# KiCad board MUX.kicad_pcb (continued)
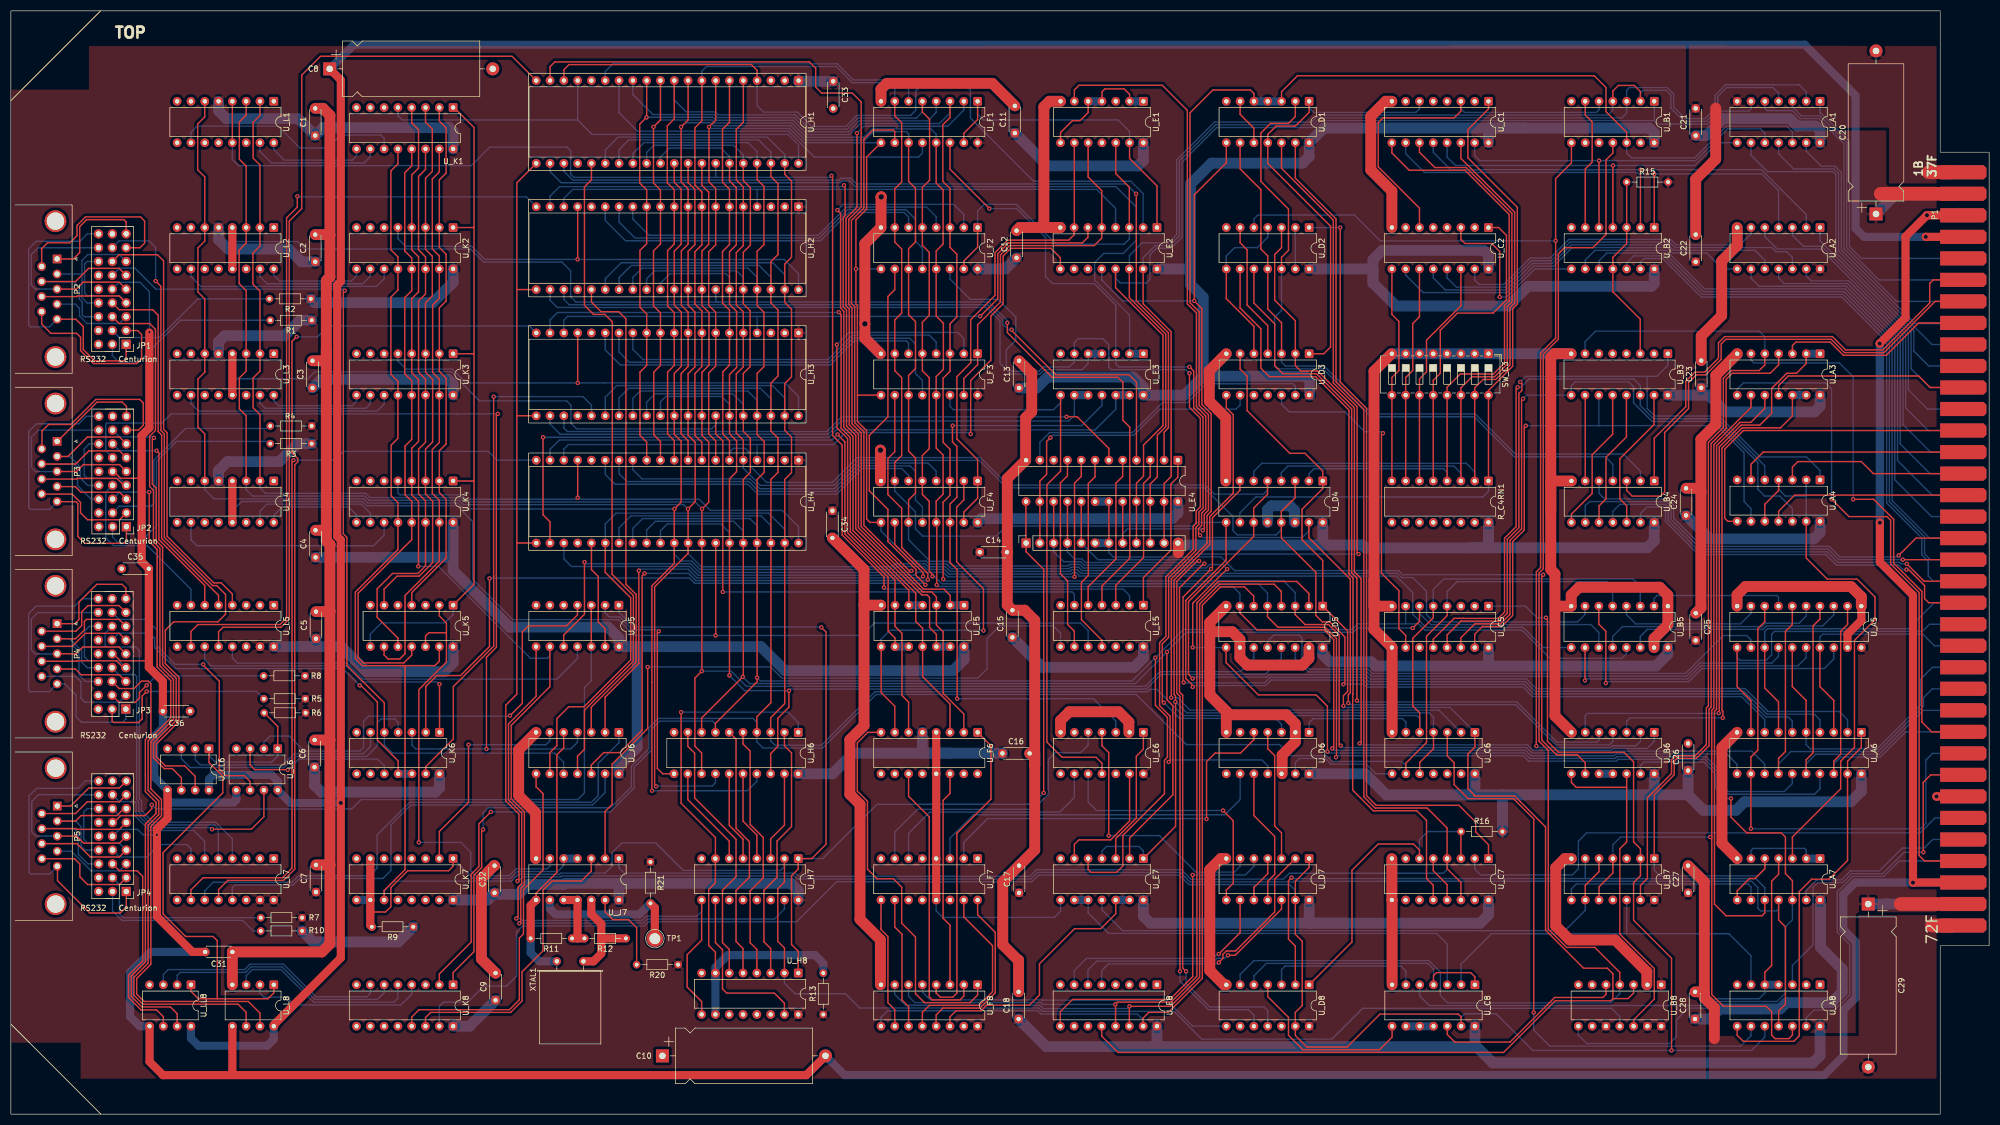
[diagram p0: board, top side]
## Routing (per net, layer and track width the routed paths; a pad name or vN(x,y) marks a point on that pad's centre or on a via; arc(x,y) is an arc through that point) (continued)
Net-(JP1-Pad1): length 55.2
  Top w0.25: JP1.1 21.21,138.99 20.82,138.6 15.41,138.6 13.32,140.7 13.32,144.89 11.94,146.27 P2.5
  Bottom w0.25: P2.5 7.13,144.9 7.13,144.85 3.58,144.85 3.27,145.16 3.27,159.2 4.67,160.6 12.7,160.6 14.06,161.97 JP1.27
Net-(JP1-Pad2): length 34.8
  Bottom w0.25: JP1.2 18.67,139.59 19.91,138.35 23.47,138.35 31.19,146.08 R1.2
Net-(JP1-Pad4): length 33.1
  Top w0.25: P2.9 5.67,145.38 7.39,143.66 12.11,143.66 12.82,142.95 12.82,140.49 15.21,138.1 23.17,138.1 24.05,138.99 24.05,143.46 23.32,144.19 JP1.4
Net-(JP1-Pad5): length 32.4
  Bottom w0.25: R2.2 34.42,150.01 27.3,142.9 19.95,142.9 JP1.5
Net-(JP1-Pad7): length 15.5
  Bottom w0.25: P2.4 11.86,149.04 12.63,148.27 12.63,146.85 13.99,145.49 19.97,145.49 JP1.7
Net-(JP1-Pad10): length 32.8
  Top w0.25: JP1.10 19.93,150.54 12.21,150.54 12.1,150.43 P2.8
  Bottom w0.25: 16.24,156.88 14.01,156.88 13.58,156.45 13.58,151.06 14.09,150.54 20.04,150.54 21.32,149.26
Net-(JP1-Pad12): length 24.4
  Bottom w0.25: JP1.19 19.93,158.16 14.17,158.16 13.08,157.07 13.08,150.21 14.02,149.26 16.57,149.26 ; P2.2 13.03,154.58
Net-(JP1-Pad13): length 37.3
  Top w0.25: P2.3 12.03,151.81 13.31,153.08 19.93,153.08 JP1.13
  Bottom w0.25: P2.3 6.37,151.81 6.37,151.81 4.52,151.81 3.77,152.56 3.77,158.18 5.02,159.43 JP1.24
Net-(JP1-Pad16): length 32.8
  Top w0.25: P2.7 11.89,153.19 14.32,155.62 19.93,155.62 JP1.16
  Bottom w0.25: 16.08,146.72 13.46,146.72 13.13,147.06 13.13,149.45 12.58,150.01 12.58,152.14 11.53,153.18 5.68,153.18
Net-(JP1-Pad22): length 33.9
  Top w0.25: P2.6 5.67,159.15 5.61,159.2 6.73,160.32 10.84,160.32 12.16,161.64 12.16,163.52 13.73,165.09 23.85,165.09 24.61,164.34 24.61,160.27 23.76,159.43 JP1.22
Net-(JP1-Pad25): length 20.9
  Top w0.25: P2.1 11.48,157.35 12.66,158.54 12.66,163.32 13.94,164.59 20.8,164.59 21.21,164.18 JP1.25
Net-(JP2-Pad1): length 56.3
  Top w0.25: 8.53,112.69 11.97,112.69 12.32,112.34 12.32,106.32 13.61,105.03 20.77,105.03 21.26,105.51 JP2.1
  Bottom w0.25: 8.53,112.69 7.16,111.32 7.16,111.28 3.6,111.28 3.3,111.58 3.3,125.63 4.7,127.03 12.49,127.03 13.88,128.41 JP2.27
Net-(JP2-Pad2): length 46.2
  Bottom w0.25: JP2.2 18.72,106.17 19.78,105.11 23.65,105.11 26.79,108.25 26.79,120.11 30.45,123.77 47.32,123.77 R3.2
Net-(JP2-Pad4): length 19.1
  Top w0.25: 5.69,114.08 11.29,114.08 12.82,112.55 12.82,110.65 14.09,109.37 20.01,109.37 JP2.4
Net-(JP2-Pad5): length 40.3
  Bottom w0.25: JP2.5 19.94,111.85 25.75,111.85 26.29,112.4 26.29,120.32 32.13,126.16 47.27,126.16 R4.2
Net-(JP2-Pad7): length 13.7
  Top w0.25: 21.28,113.15 20,114.43 12.9,114.43 11.86,115.46 8.53,115.46
Net-(JP2-Pad10): length 32.1
  Top w0.25: 5.69,116.85 12.12,116.85 12.24,116.97 19.5,116.97 20.77,115.71
  Bottom w0.25: 21.27,115.71 19.99,116.99 14.04,116.99 13.48,117.55 13.48,122.43 14.39,123.33 16.19,123.33
Net-(JP2-Pad12): length 25.8
  Top w0.25: 8.53,121 10.49,121 14.07,124.59 20,124.59 21.28,123.31
  Bottom w0.25: 16.19,115.69 14.13,115.69 12.77,117.05 12.77,119.11 10.87,121 8.53,121
Net-(JP2-Pad13): length 37.3
  Top w0.25: 8.53,118.23 12.06,118.23 13.33,119.51 20,119.51 JP2.13
  Bottom w0.25: 8.53,118.23 6.4,118.23 6.4,118.24 4.54,118.24 3.8,118.98 3.8,124.6 5.04,125.85 16.16,125.85
Net-(JP2-Pad16): length 32.2
  Top w0.25: 21.28,120.77 20,122.05 14.35,122.05 11.92,119.62 5.69,119.62
  Bottom w0.25: JP2.9 14.77,113.17 12.27,115.67 12.27,118.9 11.56,119.61 5.7,119.61
Net-(JP2-Pad22): length 32.2
  Top w0.25: JP2.22 23.48,125.87 24.35,126.74 24.35,130.86 23.7,131.51 15.64,131.51 11.03,126.9 6.93,126.9 5.72,125.68 5.72,122.41
Net-(JP2-Pad25): length 17.9
  Top w0.25: 8.53,123.77 11.16,126.4 11.23,126.4 15.85,131.01 20.5,131.01 21.28,130.23 21.28,128.39
Net-(JP3-Pad1): length 53.9
  Bottom w0.25: 8.46,79.12 7.06,77.72 3.56,77.72 3.25,78.03 3.25,92.08 4.65,93.47 11.74,93.47 13.1,94.84 16.07,94.84 ; JP3.1 21.16,72.72 20.55,72.11 12.98,72.11 12.02,73.08 12.02,77.06 9.91,79.17 8.49,79.17
Net-(JP3-Pad2): length 35.6
  Top w0.25: JP3.2 18.62,72.34 18.9,72.06 23.5,72.06 24.16,72.72 24.16,76.94 v1(24.99,77.78)
  Bottom w0.25: R5.2 45.22,77.78 v1(24.99,77.78)
Net-(JP3-Pad4): length 19.8
  Bottom w0.25: JP3.4 19.89,75.79 13.64,75.79 12.88,76.56 12.88,79.6 11.93,80.55 5.65,80.55
Net-(JP3-Pad5): length 31
  Top w0.25: JP3.5 19.94,75.75 22.84,75.75 23.66,76.56 23.66,77.58 24.92,78.84
  Bottom w0.25: R8.2 26.73,80.65 v1(24.98,78.89)
Net-(JP3-Pad7): length 13.6
  Top w0.25: 8.54,81.91 11.87,81.91 12.93,80.85 19.94,80.85 21.21,79.58
Net-(JP3-Pad10): length 31.7
  Top w0.25: 5.65,83.32 12.08,83.32 12.17,83.41 19.43,83.41 20.7,82.14
  Bottom w0.25: 16.07,89.76 14.45,89.76 13.54,88.85 13.54,84.12 14.25,83.41 19.89,83.41 JP3.10
Net-(JP3-Pad12): length 26.6
  Top w0.25: 8.49,87.48 11.91,87.48 13.52,89.09 13.52,90.66 13.9,91.03 19.89,91.03 JP3.19
  Bottom w0.25: 8.49,87.48 10.82,87.48 13.02,85.28 13.02,83.17 14.05,82.14 JP3.12
Net-(JP3-Pad13): length 37.2
  Top w0.25: 8.49,84.71 12.01,84.71 13.26,85.95 19.89,85.95 JP3.13
  Bottom w0.25: 4.96,92.28 3.75,91.08 3.75,85.43 4.5,84.68 6.35,84.68 6.36,84.68 8.49,84.68 ; 16.08,92.28 4.98,92.28
Net-(JP3-Pad16): length 32.6
  Top w0.25: 21.21,87.2 19.94,88.47 13.69,88.47 11.29,86.07 5.7,86.07
  Bottom w0.25: 5.66,86.08 11.51,86.08 12.52,85.07 12.52,80.82 13.73,79.62 16.06,79.62
Net-(JP3-Pad22): length 19.5
  Top w0.25: JP3.22 19.89,93.57 14.2,93.57 13.02,92.4 13.02,89.91 11.98,88.86 5.65,88.86
Net-(JP3-Pad25): length 19.8
  Top w0.25: JP3.25 21.16,96.77 20.45,97.49 15.8,97.49 12.52,94.21 12.52,91.01 11.76,90.25 8.49,90.25
Net-(JP4-Pad1): length 55
  Top w0.25: 8.58,45.62 8.58,42.96 14.52,37.01 20.13,37.01 21.24,38.12 JP4.1
  Bottom w0.25: 8.55,45.6 7.15,44.2 3.65,44.2 3.34,44.5 3.34,58.55 4.74,59.95 12.38,59.95 13.72,61.29 JP4.27
Net-(JP4-Pad2): length 32.4
  Bottom w0.25: R10.2 44.58,33.71 42.64,35.64 20.46,35.64 18.7,37.4 JP4.2
Net-(JP4-Pad4): length 19.4
  Top w0.25: 5.74,47 11.72,47 12.69,46.03 12.69,43.67 14.12,42.24 19.97,42.24 JP4.4
Net-(JP4-Pad5): length 33.5
  Bottom w0.25: R7.2 20.66,36.14 19.98,36.83 19.98,42.24 JP4.5
Net-(JP4-Pad7): length 14.7
  Bottom w0.25: P5.4 11.13,48.38 14.74,44.78 19.97,44.78 JP4.7
Net-(JP4-Pad10): length 32.9
  Top w0.25: JP4.10 19.97,47.32 14.62,47.32 12.17,49.77 5.74,49.77
  Bottom w0.25: 15.35,56.21 14.03,56.21 13.42,55.6 13.42,50.57 14.12,49.86 19.97,49.86 JP4.10
Net-(JP4-Pad12): length 25
  Top w0.25: 8.58,53.93 11.9,53.93 12.91,54.94 19.51,54.94 20.79,56.21
  Bottom w0.25: JP4.12 13.66,48.59 12.92,49.34 12.92,52.9 11.88,53.93 8.58,53.93
Net-(JP4-Pad13): length 37.2
  Top w0.25: JP4.13 19.97,49.86 13.41,49.86 12.1,51.16 8.58,51.16
  Bottom w0.25: 8.58,51.16 6.45,51.16 6.44,51.16 4.59,51.16 3.84,51.9 3.84,57.53 5.09,58.77 16.14,58.77
Net-(JP4-Pad16): length 31.5
  Top w0.25: 5.74,52.54 11.97,52.54 12.11,52.4 19.97,52.4 JP4.16
  Bottom w0.25: 5.75,52.53 11.6,52.53 12.42,51.72 12.42,47.8 14.17,46.05 JP4.9
Net-(JP4-Pad22): length 16.9
  Top w0.25: JP4.22 19.97,57.48 14.05,57.48 11.89,55.31 5.74,55.31
Net-(JP4-Pad25): length 14.6
  Top w0.25: JP4.25 19.97,60.02 14.33,60.02 11.01,56.7 8.58,56.7
Net-(P1-Pad30): length 5.9
  Top w1.5: v3(354.31,58.45) 354.32,58.46 P1.30
  Bottom w1.5: v3(354.31,58.45) 354.32,58.46 P1.30
Net-(R6-Pad2): length 101.5
  Top w0.25: U_LL6.1 36.45,64.69 38.99,62.15 38.99,59.11 28,48.11 28,36.84 32.15,32.69 37.21,32.69 37.98,31.93 37.98,21.23 ; 37.98,21.23 47.29,21.23 48.38,22.31 U_L8.1 ; 37.98,21.23 34.5,21.23 33.14,22.59 U_LL8.1 ; R6.2 49.1,71.35 U_L6.1
  Bottom w0.25: U_LL6.1 36.45,65.96 37.64,64.78 47.97,64.78 49.1,65.91 U_L6.1
Net-(R9-Pad2): length 64.1
  Top w0.25: 66.14,37.19 68.95,37.19 69.93,38.18 69.93,41.69 73.02,44.78 80.55,44.78 81.38,45.61 U_K7.1
  Top w1.5: U_K7.7 U_K7.10 66.14,34.76 R9.2
  Bottom w0.25: U_J7.5 101.72,45.76 100.59,44.64 93.17,44.64 91.9,43.37 85.03,43.37 U_K7.1
  Bottom w1.5: U_J7.5 U_J7.4 ; U_K7.9 U_K7.10
Net-(R11-Pad1): length 11.9
  Top w1.5: 104.27,32.33 104.26,32.35 U_J7.11 U_J7.10 ; R12.2 R11.1
Net-(R11-Pad2): length 48.6
  Top w0.25: U_J7.8 96.64,40.65 100.46,44.47 100.46,66.12 101.72,67.37 U_J6.5
  Top w1.5: R11.2 95.63,38.4 U_J7.8
  Bottom w1.5: XTAL1.1 97.21,28.12 95.63,29.69 R11.2
Net-(R12-Pad1): length 19.1
  Top w1.5: U_J7.12 106.8,36.82 108.64,34.98 108.64,32.18 ; 108.64,32.18 108.64,29.54 107.22,28.12 XTAL1.2 ; 108.64,32.18 108.79,32.33 R12.1
Net-(R13-Pad2): length 109.2
  Top w0.25: U_H8.7 129.64,29.8 128.4,31.04 128.4,41.33 129.64,42.56 U_H7.7 129.64,50.88 123.32,57.2 v1(123.32,73.97)
  Bottom w0.25: U_H6.1 144.88,72.09 143,73.97 v1(123.32,73.97)
  Bottom w1.5: U_H8.10 129.64,24.47 ; 129.64,24.47 129.64,27 131.9,29.26 147.96,29.26 149.48,27.74 R13.2 ; 129.64,24.47 U_H8.7
Net-(R15-Pad1): length 34.7
  Top w0.25: U_B3.3 299.8,146.27 294.76,151.31 U_B2.11 294.76,157.65 297.3,160.19 U_B2.3 297.3,171.49
Net-(R16-Pad1): length 57.5
  Top w0.25: U_C7.3 266.8,51.97 ; U_C7.6 259.18,48.59 258.07,49.71 251.59,49.71 246.76,44.88 246.76,31.68 U_D8.1
  Bottom w0.25: U_C7.6 259.18,50.49 260.68,51.99 R16.1
Net-(R20-Pad2): length 16
  Top w0.25: R20.2 115.14,34.32 113.67,35.79 110.77,35.79 109.34,37.22 U_J7.13
Net-(R21-Pad2): length 28.2
  Top w1.5: R21.2 118.49,37.97 TP1.1
  Bottom w1.5: U_J7.9 99.18,37.78 100.21,36.75 115.65,36.75 R21.2
Net-(R_C4RN1-Pad1): length 128.4
  Top w0.25: U_C1.1 271.88,184.94 268.1,181.15 268.1,175.95 277.19,166.86 277.19,149.03 276.33,148.18 276.33,137.61 271.88,133.16 SW_C3.16 R_C4RN1.1
  Bottom w0.25: R_C4RN1.1 271.88,114.58 270.88,113.57 229.09,113.57 226.14,110.62 226.14,108.88
Net-(R_C4RN1-Pad2): length 116.1
  Top w0.25: U_C1.14 266.8,175.85 276.69,165.96 276.69,149.24 275.83,148.38 275.83,137.81 273.2,135.18 270.89,135.18 269.34,133.63 SW_C3.15 R_C4RN1.2
  Bottom w0.25: U_D4.6 228.68,118.24 230.19,119.75 267.79,119.75 269.34,118.19 R_C4RN1.2
Net-(R_C4RN1-Pad3): length 116
  Top w0.25: R_C4RN1.3 SW_C3.14 266.8,133.63 268.85,135.68 272.99,135.68 275.33,138.02 275.33,148.59 276.19,149.45 276.19,165.75 267.77,174.18 262,174.18 259.18,176.99 U_C1.11
  Bottom w0.25: U_D4.4 233.76,118.04 234.97,119.25 265.52,119.25 266.8,117.96 R_C4RN1.3
Net-(R_C4RN1-Pad4): length 114.5
  Top w0.25: R_C4RN1.4 SW_C3.13 264.26,133.75 266.69,136.18 272.78,136.18 274.83,138.23 274.83,148.8 275.69,149.66 275.69,165.54 267.56,173.68 257.29,173.68 254.1,176.86 U_C1.9
  Bottom w0.25: R_C4RN1.4 264.26,118.11 263.63,118.75 239.75,118.75 238.84,117.83 U_D4.2
Net-(R_C4RN1-Pad5): length 58.5
  Top w0.25: U_C2.1 273.75,163.14 275.19,161.69 275.19,149.86 272.72,147.4 266.17,147.4 263.02,144.25 263.02,136.32 261.72,135.02 SW_C3.12 R_C4RN1.5
Net-(R_C4RN1-Pad6): length 42.2
  Top w0.25: R_C4RN1.6 SW_C3.11 259.18,135.28 260.48,136.58 260.48,142.41 266.8,148.74 U_C2.14
Net-(R_C4RN1-Pad7): length 40.1
  Top w0.25: R_C4RN1.7 SW_C3.10 256.64,135.53 257.94,136.83 257.94,145.47 259.18,146.71 U_C2.11
Net-(R_C4RN1-Pad8): length 40.1
  Top w0.25: R_C4RN1.8 SW_C3.9 254.1,135.53 255.4,136.83 255.4,145.85 254.1,147.14 U_C2.9
Net-(U_A1-Pad8): length 69.8
  Top w0.25: U_B2.4 294.76,174.54 v1(294.77,174.55)
  Bottom w0.25: U_C1.13 264.26,176.1 265.81,174.55 v1(294.77,174.55) 309.83,174.55 314.02,178.74 U_A1.8
Net-(U_A1-Pad10): length 73
  Top w0.25: 292.22,175.43 U_B2.5
  Bottom w0.25: U_A1.10 322.73,180.5 321.94,181.29 315.86,181.29 310.01,175.44 v1(292.23,175.44) 270.26,175.44 269.34,176.35 U_C1.15
Net-(U_A2-Pad2): length 88.1
  Top w0.25: U_B2.2 299.84,173.77 v1(299.85,173.77)
  Bottom w0.25: U_C1.12 261.72,176.99 264.94,173.77 v1(299.85,173.77) 322.09,173.77 330.35,165.52 U_A2.2
Net-(U_A2-Pad4): length 90.1
  Top w0.25: U_B2.1 302.38,172.99 v1(302.39,173)
  Bottom w0.25: U_C1.10 256.64,176.74 260.1,173.27 299.25,173.27 299.53,173 v1(302.39,173) 322.15,173 325.26,169.89 U_A2.4
Net-(U_A2-Pad6): length 59.1
  Bottom w0.25: U_A2.6 320.19,161.99 318.14,159.94 306.38,159.94 305.37,160.95 286.67,160.95 283.24,157.52 279.55,157.52 274.69,152.66 270.16,152.66 269.34,153.47 U_C2.15
Net-(U_A2-Pad8): length 68.5
  Bottom w0.25: U_C2.10 256.64,154.38 259.87,151.16 275.31,151.16 280.18,156.02 283.86,156.02 287.28,159.44 304.77,159.44 305.76,158.44 312.02,158.44 314.94,155.52 U_A2.8
Net-(U_A2-Pad10): length 69.8
  Bottom w0.25: U_C2.12 261.72,153.88 263.94,151.66 275.11,151.66 279.97,156.52 283.65,156.52 287.09,159.95 304.96,159.95 305.96,158.94 320.92,158.94 322.73,157.13 U_A2.10
Net-(U_A2-Pad12): length 72.6
  Bottom w0.25: U_C2.13 264.26,153.88 265.98,152.16 274.9,152.16 279.76,157.02 283.44,157.02 286.88,160.45 305.16,160.45 306.17,159.44 324.03,159.44 324.79,158.68 326.77,158.68 327.81,157.64 U_A2.12
Net-(U_A3-Pad1): length 106.2
  Top w0.25: U_A3.2 330.35,138.11 328.55,136.31 326.77,136.31 323.98,133.53 323.98,128.96 321.8,126.78 318.36,126.78 314.34,122.77 314.34,73.89 v1(314.24,73.79)
  Bottom w0.25: U_B6.6 289.68,73.32 290.1,73.74 314.19,73.74 v1(314.24,73.79)
  Bottom w1.5: U_A3.1 U_A3.2
Net-(U_A3-Pad12): length 91.5
  Top w0.25: U_A3.12 327.81,128.46 325.62,126.28 318.56,126.28 314.84,122.56 314.84,74.28 315.01,74.11 315.01,72.95 v1(314.99,72.92)
  Bottom w0.25: v1(314.99,72.92) 297.92,72.92 297.3,72.31 U_B6.3
  Bottom w1.5: U_A3.13 U_A3.12
Net-(U_A4-Pad1): length 133.6
  Top w0.25: v1(277.71,134.71) 278.02,134.41 278.02,133.16 277.47,132.61 277.47,107.9 275.33,105.76 275.33,92.17 273.87,90.71 266.85,90.71 266.83,90.73 264.26,88.16 U_C5.13
  Bottom w0.25: U_B3.1 304.88,137.8 302.83,135.75 278.75,135.75 v1(277.71,134.71) ; 301.07,135.74 301.07,129.84 302.46,128.45 314.29,128.45 314.9,127.83 314.9,127.83 321.81,120.93 330.38,120.93 332.88,118.43 U_A4.1
Net-(U_A4-Pad5): length 116.6
  Top w0.25: U_C5.12 261.72,87.4 265.55,91.23 267.32,91.23 267.34,91.21 273.66,91.21 274.83,92.38 274.83,105.97 276.97,108.11 276.97,133.48 v1(277.24,133.76)
  Bottom w0.25: U_A4.5 322.73,119.31 314.7,127.33 314.69,127.33 314.08,127.95 302.25,127.95 299.8,130.4 U_B3.14 299.8,134.08 298.64,135.25 279.35,135.25 277.86,133.76 v1(277.24,133.76)
Net-(U_A4-Pad9): length 108.1
  Top w0.25: U_C5.15 269.34,88.29 270.77,89.71 274.29,89.71 276.33,91.76 276.33,105.35 278.47,107.48 278.47,126.39 v1(278.74,126.67)
  Bottom w0.25: U_A4.9 320.19,111.42 318.9,112.7 318.9,121.72 314.28,126.33 314.28,126.33 313.94,126.68 292.48,126.68 ; U_B3.11 292.18,126.72 292.22,126.68 292.48,126.68 ; 292.48,126.68 278.75,126.68 v1(278.74,126.67)
Net-(U_A4-Pad12): length 121.7
  Top w0.25: U_C5.14 266.8,87.65 269.36,90.21 274.08,90.21 275.83,91.97 275.83,105.55 277.97,107.69 277.97,131.35 v1(278.24,131.62)
  Bottom w0.25: v1(278.24,131.62) 278.91,132.29 U_B3.9 287.1,133.99 287.86,134.75 297.67,134.75 298.58,133.83 298.58,130.86 301.99,127.45 313.87,127.45 314.49,126.83 314.49,126.83 321.44,119.88 321.44,114.99 322.71,113.72 325.5,113.72 327.81,111.42 U_A4.12
Net-(U_A7-Pad1): length 16
  Bottom w0.25: U_A7.6 320.19,48.5 320.58,48.9 330.03,48.9 330.35,48.58 U_A7.2
  Bottom w1.5: U_A7.1 U_A7.2
Net-(U_A7-Pad9): length 38.1
  Bottom w0.25: U_B7.8 287.14,41.45 288.04,42.34 319.66,42.34 320.19,41.82 U_A7.9
Net-(U_A8-Pad9): length 110
  Top w0.25: v1(280.2,18.71) 280.2,54.32 276.48,58.05 268.14,58.05 265.56,60.63 265.56,64.64 264.3,65.9 U_C6.3
  Bottom w0.25: v1(280.2,18.71) 280.2,15.46 283.16,12.5 318.26,12.5 320.19,14.42 U_A8.9
Net-(U_B1-Pad6): length 24.3
  Top w0.25: U_B2.6 289.68,173.91 290.96,175.18 290.96,182.55 289.68,183.83 U_B1.6
Net-(U_B2-Pad8): length 34
  Top w0.25: U_C2.3 266.8,160.94 267.54,160.2 272.47,160.2 273.94,158.72 v1(273.94,150.34)
  Bottom w0.25: U_B2.8 280.38,155.52 275.21,150.34 v1(273.94,150.34)
Net-(U_B3-Pad10): length 15.8
  Top w0.25: U_B4.6 289.68,132.25
Net-(U_B3-Pad12): length 26.6
  Top w0.25: U_B3.12 294.72,125.1 290.96,121.34 290.96,114.22 287.14,110.41 U_B4.8
Net-(U_B3-Pad13): length 25.5
  Top w0.25: U_B3.13 297.26,124.59 293.5,120.83 293.5,113.21 292.22,111.93 U_B4.10
Net-(U_B3-Pad15): length 26.5
  Top w0.25: U_B4.12 297.3,111.94 296.04,113.21 296.04,120.57 302.34,126.88 U_B3.15
Net-(U_B6-Pad5): length 140.2
  Top w0.25: v1(247.66,76.1) 247.66,98.63 246.71,99.59 246.71,129.77 240.25,136.23 234.06,136.23 232.54,137.74 232.54,145.42 228.72,149.23 U_D2.10
  Bottom w0.25: v1(247.66,76.1) 247.94,75.83 277.1,75.83 284.48,68.45 291.79,68.45 292.22,68.88 U_B6.5
Net-(U_B6-Pad10): length 2.5
  Bottom w1.5: U_B6.11 U_B6.10
Net-(U_B6-Pad12): length 63.3
  Top w0.25: U_B8.12 298.58,17.35 302.39,21.16 302.39,26.78 296.04,33.13 296.04,48.82 297.3,50.08 U_B6.12 ; U_B6.8 287.14,61.02 288.04,60.12 297.31,60.12
Net-(U_C6-Pad6): length 22.1
  Bottom w0.25: U_D6.1 238.88,72.05 239.6,72.77 256.06,72.77 256.68,72.14 U_C6.6
Net-(U_C6-Pad8): length 21.3
  Bottom w0.25: U_D6.13 236.34,64.69 237.1,65.45 241.85,65.45 242.9,64.4 249.39,64.4 251.16,62.63 U_C6.8
Net-(U_C7-Pad1): length 142.1
  Top w0.25: U_C7.1 271.88,49.58 269.52,51.94 269.52,53.75 266.45,56.82 251.22,56.82 249.44,58.6 249.44,129.86 244.6,134.7 v1(244.6,163.14)
  Bottom w0.25: v1(244.6,163.14) U_D2.1
Net-(U_C8-Pad3): length 80.9
  Bottom w0.25: U_C8.3 264.3,31.28 262.33,33.26 202,33.26 198.22,37.04 U_E7.10
  Bottom w1.5: U_E7.9 U_E7.10
Net-(U_C8-Pad6): length 28.8
  Bottom w0.25: U_D8.3 233.8,26.59 234.45,27.24 255.77,27.24 256.68,26.33 U_C8.6
Net-(U_C8-Pad8): length 34
  Top w0.25: U_D8.4 231.26,21.62 235.08,17.81 235.08,14.5 237.73,11.85 251.84,11.85 254.14,14.16 U_C8.8
Net-(U_C8-Pad10): length 5.1
  Bottom w1.5: U_C8.9 U_C8.10 U_C8.11
Net-(U_D1-Pad10): length 8.7
  Top w0.25: U_D1.6 226.18,183.96 228.72,181.42 U_D1.10
Net-(U_D2-Pad6): length 25.3
  Top w0.25: U_D2.6 226.18,160.33 227.46,159.06 227.46,148.89 231.26,145.09 U_D3.4
Net-(U_D2-Pad13): length 7.6
  Bottom w0.25: U_D2.13 U_D2.2
Net-(U_D5-Pad2): length 156.3
  Top w0.25: U_E8.13 203.26,20.16 v1(203.23,20.19) ; 203.33,19.99 203.33,20.38 203.55,20.61 213.46,20.61 218.23,25.38 218.23,94.06 222.18,98.01 236.61,98.01 238.84,95.78 U_D5.2
  Bottom w0.25: U_F8.6 165.18,21.67 166.32,20.52 189.55,20.52 189.88,20.19 v1(203.23,20.19)
Net-(U_D5-Pad4): length 153.5
  Top w0.25: U_E8.14 205.8,19.81 v1(205.82,19.83) 213.39,19.83 218.73,25.17 218.73,93.86 222.38,97.51 232.44,97.51 233.76,96.19 U_D5.4
  Bottom w0.25: v1(205.82,19.83) 205.4,19.42 189.95,19.42 189.34,20.02 164.64,20.02 162.64,22.02 U_F8.7
Net-(U_D5-Pad6): length 149.7
  Top w0.25: U_E8.15 208.34,17.69 209.38,18.72 212.98,18.72 219.23,24.97 219.23,93.65 222.58,97 227,97 228.68,95.32 U_D5.6
  Bottom w0.25: U_F8.9 160.1,17.81 161.32,19.02 188.93,19.02 189.54,18.42 207.24,18.42 208.34,17.32 U_E8.15
Net-(U_D6-Pad4): length 24.3
  Top w0.25: U_D7.3 233.8,51.75 232.54,53.01 232.54,65.96 231.26,67.24 U_D6.4
Net-(U_D6-Pad10): length 25.3
  Top w0.25: U_D7.11 231.26,42.84 232.54,44.12 232.54,51.1 228.72,54.92 U_D6.10
Net-(U_D7-Pad2): length 50.7
  Top w0.25: U_D7.2 232.54,43.22 232.54,37.2 225.34,30.01 223.64,30.01 223.03,29.4 223.03,28.68 v1(222.25,27.91)
  Bottom w0.25: U_E8.5 200.72,26.4 201.97,27.65 222,27.65 v1(222.25,27.91)
Net-(U_D7-Pad5): length 61.8
  Top w0.25: v1(217.45,44.01) 217.45,25.31 213.25,21.11 195.35,21.11 193.1,18.85 U_E8.9
  Bottom w0.25: v1(217.45,44.01) 227.15,44.01 228.72,45.58 U_D7.5
Net-(U_D7-Pad6): length 48.4
  Top w0.25: U_E6.4 200.76,67.81 200.74,67.79 202.01,66.52 v1(202.01,51.24)
  Bottom w0.25: v1(202.01,51.24) 211.34,51.24 218.07,44.51 225.11,44.51 226.18,45.58 U_D7.6
Net-(U_D7-Pad8): length 48.4
  Top w0.25: v1(223.04,55.86) 223.04,55.85 224.92,53.98 224.92,42.49 223.64,41.22 U_D7.8
  Bottom w0.25: U_E6.10 198.22,57.41 199.77,55.86 v1(223.04,55.86)
Net-(U_D7-Pad9): length 42
  Top w0.25: v1(222.25,29.46) 226.18,33.39 U_D7.9
  Bottom w0.25: v1(222.25,29.46) 222,29.46 221.19,28.65 197.92,28.65 195.64,26.37 U_E8.7
Net-(U_D7-Pad12): length 44.6
  Top w0.25: v1(223.96,29.23) 225.28,29.23 233.8,37.76 U_D7.12
  Bottom w0.25: v1(223.96,29.23) 223.41,28.68 221.93,28.68 221.4,28.15 199.81,28.15 198.18,26.52 U_E8.6
Net-(U_E1-Pad1): length 24.4
  Top w0.25: U_E1.8 193.14,180.62 195.33,182.8 196.73,182.8 198.22,184.3 U_E1.5 ; U_E1.4 200.76,188.11 201.3,188.65 204.85,188.65 205.84,187.66 U_E1.2
  Bottom w1.5: U_E1.5 U_E1.4 ; U_E1.1 U_E1.2
Net-(U_E3-Pad1): length 149.8
  Bottom w0.25: U_H1.22 99.21,173.44 101.27,171.37 152.61,171.37 152.94,171.7 154.34,171.7 155.39,170.65 203.34,170.65 207.09,166.9 207.09,160.81 204.65,158.37 201.09,158.37 199.42,156.69 199.42,153.44 205.84,147.02 U_E3.2
  Bottom w1.5: U_E3.1 U_E3.2
Net-(U_E3-Pad4): length 116.3
  Bottom w0.25: U_H2.22 99.21,149.77 100.55,148.43 179.52,148.43 182,145.94 182,138.14 183.98,136.17 189.35,136.17 190.16,136.98 197.08,136.98 198.22,138.12 U_E3.5
  Bottom w1.5: U_E3.4 U_E3.5
Net-(U_E3-Pad10): length 106.5
  Bottom w0.25: U_H3.22 99.21,126.96 101.06,125.1 150.35,125.1 152.79,127.53 194.64,127.53 195.68,128.57 U_E3.9
  Bottom w1.5: U_E3.10 U_E3.9
Net-(U_E3-Pad12): length 132.6
  Top w0.25: 99.21,105.08 99.21,108.97 97.92,110.26 v1(97.92,124.54)
  Bottom w0.25: U_E3.12 203.3,129.69 199.52,125.91 151.87,125.91 150.5,124.54 v1(97.92,124.54)
  Bottom w1.5: U_E3.13 U_E3.12
Net-(U_E5-Pad8): length 125.6
  Top w0.25: U_J7.2 109.34,55.69 110.62,56.97 110.62,64.39 117.17,70.95 v1(117.17,82.27)
  Bottom w0.25: U_E5.8 193.14,88.5 191.79,89.85 181.95,89.85 179.61,87.5 179.61,81.92 177.91,80.21 141.87,80.21 139.8,82.28 117.19,82.28 v1(117.17,82.27)
Net-(U_E6-Pad1): length 25.3
  Top w0.25: U_E6.1 208.38,67.15 207.09,65.86 207.09,54.49 203.3,50.7 U_E7.3
Net-(U_E6-Pad13): length 23.2
  Top w0.25: U_E6.13 205.84,53.95 202.36,50.47 196.52,50.47 195.68,49.63 U_E7.6
Net-(U_E7-Pad12): length 48.5
  Top w0.25: U_F8.14 172.8,17.91 173.91,19.01 178.53,19.01 179.56,20.04 187.38,20.04 189.26,21.92 189.26,27.66 195.73,34.13 200.55,34.13 203.3,36.88 U_E7.12
  Bottom w1.5: U_E7.13 U_E7.12
Net-(U_F5-Pad1): length 171.3
  Top w0.25: U_F5.2 172.84,95.44 171.69,96.59 167.98,96.59 156.46,108.11 156.46,125.33 154.76,127.03 154.76,148.36 154.16,148.95 154.16,164.65 156.46,166.94 156.46,186.24 154.82,187.88 149.17,187.88 148.09,188.97 148.09,192.46 146.94,193.6 146.94,193.62 100.1,193.62 99.21,192.73 U_H1.19
  Bottom w1.5: U_F5.1 U_F5.2
Net-(U_F5-Pad4): length 117.9
  Top w0.25: v1(152.34,147.56) 152.76,147.14 152.76,126.21 154.46,124.51 154.46,107.17 165.22,96.4 U_F5.5
  Bottom w0.25: U_H3.19 99.21,146.14 100.56,147.5 152.27,147.5 v1(152.34,147.56)
  Bottom w1.5: U_F5.4 U_F5.5
Net-(U_F5-Pad10): length 102
  Top w0.25: v1(152.11,125.05) 153.46,123.7 153.46,106.75 161.42,98.79 161.42,88.87 162.68,87.62 U_F5.9
  Bottom w0.25: v1(152.11,125.05) 151.09,124.04 100.93,124.04 99.21,122.32 U_H4.19
  Bottom w1.5: U_F5.10 U_F5.9
Net-(U_F5-Pad12): length 152.2
  Top w0.25: v1(153.29,170.93) 153.5,170.72 153.5,165.39 153.16,165.06 153.16,148.54 153.76,147.94 153.76,126.62 155.46,124.92 155.46,107.7 167.63,95.53 168.58,95.53 169.04,95.07 169.04,89.54 170.3,88.28 U_F5.12
  Bottom w0.25: U_H2.19 99.21,168.9 100.96,170.65 153.02,170.65 v1(153.29,170.93)
  Bottom w1.5: U_F5.13 U_F5.12
Net-(U_H1-Pad17): length 88.1
  Bottom w0.25: U_H1.17 104.29,182.95 104.27,182.93 ; 104.27,182.93 106.94,180.26 142.98,180.26 144.93,178.32 U_H1.40 ; 104.27,182.93 72.01,182.93 71.22,183.73 U_K1.5
Net-(U_H2-Pad17): length 91
  Top w0.25: U_H2.17 104.29,157.29 v1(104.27,157.28)
  Bottom w0.25: U_H2.40 144.93,154.64 142.32,157.25 104.3,157.25 v1(104.27,157.28) 87.2,157.28 84.79,159.68 72.63,159.68 71.22,161.1 U_K2.5
Net-(U_H3-Pad17): length 90.6
  Top w0.25: v1(104.31,134.54) 104.29,134.57 U_H3.17
  Bottom w0.25: U_K3.5 71.22,138.59 72.73,137.08 81.25,137.08 83.25,135.08 83.25,134.99 83.7,134.54 v1(104.31,134.54) 109.28,134.54 109.29,134.55 142.41,134.55 144.93,132.04 U_H3.40
Net-(U_H4-Pad17): length 88.7
  Top w0.25: U_H4.17 v1(104.29,113.42)
  Bottom w0.25: 104.32,113.14 126.64,113.14 128.69,111.09 141.95,111.09 144.93,108.11 144.93,105.08 ; 104.32,113.14 104.29,113.17 v1(104.29,113.42) ; 104.32,113.14 83.7,113.14 82.89,113.95 71.58,113.95 71.22,114.31 U_K4.5
Net-(U_H6-Pad2): length 47.4
  Top w0.25: U_H8.3 139.8,30.47 138.56,31.71 138.56,41.2 140.97,43.61 140.97,50.24 143.64,52.91 143.64,66.47 142.34,67.77 U_H6.2
Net-(U_H6-Pad5): length 47.3
  Top w0.25: U_H8.4 137.26,30.31 136.02,31.55 136.02,41.07 138.43,43.49 138.43,50.9 136.02,53.31 136.02,66.8 134.72,68.1 U_H6.5
Net-(U_H6-Pad6): length 47.4
  Top w0.25: U_H8.5 134.72,30.47 133.43,31.76 133.43,41.15 135.89,43.61 135.89,50.14 133.43,52.6 133.43,68.99 U_H6.6
Net-(U_H6-Pad9): length 49.5
  Top w0.25: U_H8.6 132.18,30.32 130.94,31.56 130.94,41.2 133.43,43.69 133.43,50.57 125.81,58.19 125.81,66.42 124.56,67.67 U_H6.9
Net-(U_H6-Pad11): length 41.5
  Top w0.25: v1(119.22,88.85) 118.95,88.57 118.95,63.61 119.93,62.63 U_H6.11
  Bottom w0.25: U_J5.2 109.34,92.27 110.12,91.48 112.03,91.48 114.39,89.12 118.95,89.12 v1(119.22,88.85)
Net-(U_H6-Pad12): length 18.8
  Top w0.25: U_H7.6 132.18,50.25 124.56,57.87 U_H6.12
Net-(U_H6-Pad15): length 16.7
  Top w0.25: U_H7.5 134.72,50.6 132.18,53.14 U_H6.15
Net-(U_H6-Pad16): length 16.7
  Top w0.25: U_H6.16 134.72,53.91 137.26,51.37 U_H7.4
Net-(U_H6-Pad19): length 16.7
  Top w0.25: U_H7.3 139.8,50.64 142.34,53.18 U_H6.19
Net-(U_H7-Pad9): length 113.9
  Top w0.25: U_J5.8 96.64,76.87 91.56,71.8 91.56,57.84 93.99,55.41 93.99,42.42 93.32,41.75 93.32,36.32 v1(93,36) ; U_H7.9 127.1,32 124.44,29.34 124.44,23.37 127.1,20.71 U_H8.9
  Bottom w0.25: v1(93,36) 93.74,36 94.11,35.63 116.12,35.63 116.88,36.4 126.22,36.4 127.1,37.28 U_H7.9
Net-(U_H7-Pad10): length 31.5
  Top w0.25: U_H7.10 129.64,31.56 130.94,30.26 130.94,23.04 131.7,22.28 140.47,22.28 142.34,20.4 U_H8.15
Net-(U_H7-Pad15): length 228
  Top w0.25: v1(74.96,100.79) 75.01,100.84 75.01,112.7 73.76,113.95 U_K4.4 73.76,122.52 75.01,123.77 75.01,135.15 73.76,136.41 U_K3.4 73.76,150.05 75.01,151.31 75.01,157.76 73.76,159.01 U_K2.4 73.76,172.81 75.01,174.07 75.01,181.13 73.76,182.38 U_K1.4 ; v1(93.54,35.1) 93.82,35.38 93.82,41.54 94.49,42.21 94.49,55.61 92.06,58.04 92.06,71.54 99.18,78.65 U_J5.9
  Bottom w0.25: v1(93.54,35.1) 93.57,35.13 116.32,35.13 117.09,35.9 140.5,35.9 142.34,37.74 U_H7.15 ; v1(74.96,100.79) 78.68,100.79 95.59,83.87 98.68,83.87 99.18,84.37 U_J5.9
Net-(U_J5-Pad11): length 71
  Bottom w0.25: U_J5.11 104.26,83.83 100.45,80.03 64.85,80.03 61.9,82.98 41.68,82.98 40.75,83.91 U_L5.13
Net-(U_J6-Pad1): length 98.1
  Bottom w0.25: U_L7.11 35.67,41.11 37.23,42.66 51.72,42.66 52.93,43.87 65.97,43.87 67.39,45.29 67.39,51.38 73.39,57.38 106.82,57.38 108.08,58.64 108.08,64.54 111.88,68.34 U_J6.1
Net-(U_J6-Pad6): length 40
  Top w0.25: U_K7.2 78.84,52.01 84.2,57.38 v1(84.2,67.97)
  Bottom w0.25: v1(84.2,67.97) 98.45,67.97 99.18,68.69 U_J6.6
Net-(U_J6-Pad8): length 66.7
  Top w0.25: U_K8.13 73.76,17.87 75.1,19.22 91.74,19.22 93.55,21.03 93.55,32.4 94.32,33.16 94.32,41.33 97.92,44.93 97.92,58.95 96.64,60.24 U_J6.8
Net-(U_J6-Pad13): length 86.4
  Bottom w0.25: U_J6.13 109.34,59.19 107.03,56.88 73.6,56.88 69.93,53.21 69.93,44.83 68.46,43.37 53.13,43.37 51.93,42.16 41.25,42.16 40.75,41.67 U_L7.13
Net-(U_J7-Pad6): length 83.1
  Top w0.25: v1(75.06,50) 75.06,78.11 80.14,83.19 80.14,88.57 ; U_K5.2 78.84,91.68 80.14,90.37 80.14,88.57 ; U_K5.12 76.3,87.98 76.89,88.57 80.14,88.57
  Bottom w0.25: v1(75.06,50) 82.79,50 84.61,48.18 84.61,44.77 85.52,43.87 91.7,43.87 92.97,45.14 98.68,45.14 99.18,45.63 U_J7.6
Net-(U_K1-Pad1): length 127.1
  Top w0.25: 85.22,116.51 85.22,97.51 81.38,93.67 ; 85.22,116.51 85.21,116.5 U_K4.1 ; 85.22,116.51 85.22,139.93 ; 85.22,139.93 85.21,139.91 U_K3.1 ; 85.22,139.93 85.22,163.2 ; 85.22,163.2 85.16,163.14 U_K2.1 ; 85.22,163.2 85.22,181.53 81.54,185.22 U_K1.1
  Bottom w0.25: U_K5.8 66.14,88.33 68.19,90.39 79.83,90.39 81.38,91.94 U_K5.1
Net-(U_K1-Pad2): length 97.8
  Top w0.25: U_K5.4 73.76,95.96 80.09,102.29 80.09,113.11 78.84,114.36 U_K4.2 78.84,122.06 80.09,123.32 80.09,135.41 78.82,136.68 78.84,136.69 U_K3.2 78.84,148.38 80.09,149.63 80.09,158.22 78.84,159.47 U_K2.2 78.84,171.9 80.09,173.15 80.09,181.48 78.84,182.74 U_K1.2
Net-(U_K1-Pad3): length 101.4
  Top w0.25: U_K1.3 76.3,182.53 77.55,181.28 77.55,173.46 76.3,172.2 U_K2.3 76.3,159.11 77.55,157.86 77.55,150.55 76.3,149.29 U_K3.3 76.3,136.51 77.6,135.2 77.6,123.67 76.3,122.37 U_K4.3 76.3,114.14 76.28,114.12 77.6,112.8 77.6,101.47 75.11,98.98 71.05,98.98 68.68,96.61 U_K5.6
Net-(U_K1-Pad9): length 18.9
  Bottom w0.25: U_K1.9 63.6,176.29 62.83,175.52 50.34,175.52 48.38,177.49 U_L1.16
Net-(U_K1-Pad10): length 24.7
  Bottom w0.25: U_K1.10 66.14,176.17 64.99,175.02 47.94,175.02 45.83,177.13 U_L1.15
Net-(U_K1-Pad11): length 42.8
  Bottom w0.25: U_K1.11 68.68,179.54 68.08,180.14 60.66,180.14 58.3,177.77 53.17,177.77 49.15,181.79 34.27,181.79 33.13,180.66 U_L1.10
Net-(U_K1-Pad13): length 113.3
  Top w0.25: U_K5.11 73.76,84.47 72.31,83.02 64.86,83.02 63.88,84 63.88,95.83 73.76,105.71 U_K4.13 73.76,112.73 72.52,113.97 72.52,122.91 73.76,124.15 U_K3.13 73.76,134.93 72.47,136.22 72.47,150.24 73.76,151.53 U_K2.13 73.76,157.54 72.47,158.83 72.47,173.2 73.76,174.49 U_K1.13
Net-(U_K1-Pad14): length 102.8
  Top w0.25: U_K5.10 71.22,87.59 67.39,91.41 67.39,96.65 70.23,99.48 74.9,99.48 76.3,100.88 U_K4.14 76.3,112.84 75.01,114.12 75.01,122.35 76.3,123.64 U_K3.14 76.3,135.24 75.01,136.53 75.01,149.63 76.3,150.92 U_K2.14 76.3,157.74 75.01,159.03 75.01,172.54 76.3,173.83 U_K1.14
Net-(U_K1-Pad15): length 104.7
  Top w0.25: U_K1.15 78.84,173.37 77.55,172.09 77.55,159.18 78.84,157.9 U_K2.15 78.84,150.11 77.6,148.87 77.6,136.47 78.84,135.24 U_K3.15 78.84,123.59 77.55,122.3 77.55,114.22 78.84,112.94 U_K4.15 78.84,101.74 72.52,95.43 72.52,84.71 71.55,83.74 69.42,83.74 68.68,84.49 U_K5.9
Net-(U_K2-Pad9): length 18.5
  Bottom w0.25: U_L2.16 48.38,154.37 49.46,153.29 62.66,153.29 63.6,154.22 U_K2.9
Net-(U_K2-Pad10): length 24.2
  Bottom w0.25: U_K2.10 66.14,154.17 64.76,152.79 47.16,152.79 45.83,154.12 U_L2.15
Net-(U_K2-Pad11): length 40.1
  Bottom w0.25: U_L2.10 33.13,154.12 34.96,152.29 67.25,152.29 68.68,153.71 U_K2.11
Net-(U_K3-Pad9): length 18.1
  Bottom w0.25: U_K3.9 63.6,131.16 62.8,130.36 49.27,130.36 48.38,131.26 U_L3.16
Net-(U_K3-Pad10): length 24.1
  Bottom w0.25: U_K3.10 66.14,130.7 65.3,129.86 46.82,129.86 45.9,130.78 45.9,130.94 45.83,131 U_L3.15
Net-(U_K3-Pad11): length 39.8
  Bottom w0.25: U_K3.11 68.68,130.65 67.39,129.36 34.52,129.36 33.13,130.75 U_L3.10
Net-(U_K4-Pad9): length 19.1
  Bottom w0.25: U_K4.9 63.6,110.24 62.12,111.72 49.95,111.72 48.38,110.14 U_L4.16
Net-(U_K4-Pad10): length 25.3
  Bottom w0.25: U_L4.15 45.83,110.96 47.1,112.22 64.48,112.22 66.14,110.57 U_K4.10
Net-(U_K4-Pad11): length 42.3
  Bottom w0.25: U_K4.11 68.68,106.52 66.74,104.58 34.26,104.58 33.13,105.7 U_L4.10
Net-(U_K6-Pad1): length 56.3
  Top w0.25: v1(78.87,79.12) 78.87,73.6 78.88,73.59 U_K6.1
  Bottom w0.25: U_L5.11 35.67,83.61 36.8,82.48 61.69,82.48 64.65,79.53 78.46,79.53 v1(78.87,79.12)

## Copper pours and planes (outline as drawn; the poured copper is in the pictures)
+5V on Top: 311.92,6.53 12.83,6.53 12.83,13.13 0.13,13.13 0.13,188.52 14.35,188.52 14.35,196.52 308.23,196.65 308.23,181.41 345.57,181.53 345.57,171.25 354.33,171.25 354.33,36.63 339.98,36.63 339.98,14.4 311.92,14.4
GND on Top: 308.74,196.65 354.33,196.52 354.33,171.25 345.57,171.25 345.57,181.53 308.74,181.41
GND on Top: 312.42,6.53 312.42,14.4 339.98,14.4 339.98,36.63 354.33,36.63 354.33,6.53
GND on Bottom: 0.13,188.52 0.13,13.13 12.83,13.13 12.83,6.53 354.33,6.53 354.33,196.52 14.35,196.52 14.35,188.52

## Text on the board
F.Silkscreen: RS232   Centurion | TOP
